# Altium PCB pcb_final.PcbDoc
Units mil, origin at the board's own origin, x right, y up, seen from the top; angles counter-clockwise.
Board outline 6000 x 4000 mil, 2 copper layers (Top Layer, Bottom Layer); 16 components, 32 nets, 96 pads, 4 vias.
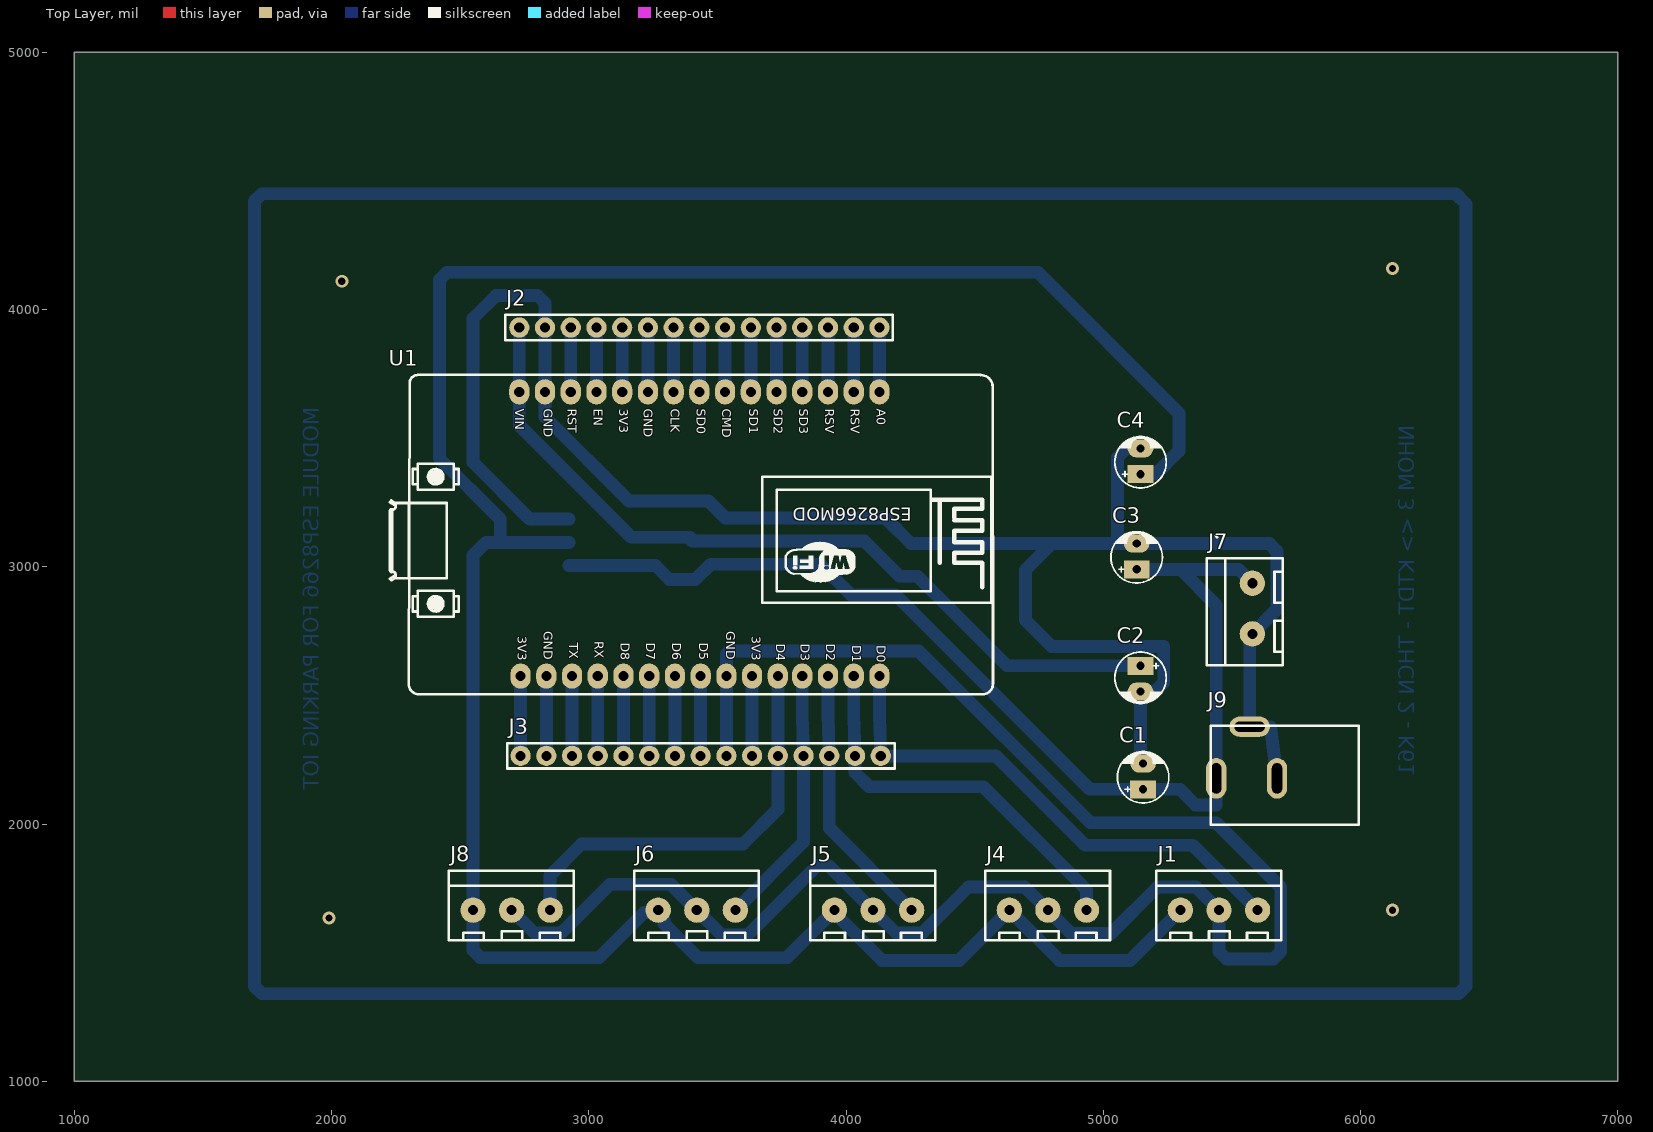
[diagram p0: Top Layer view]
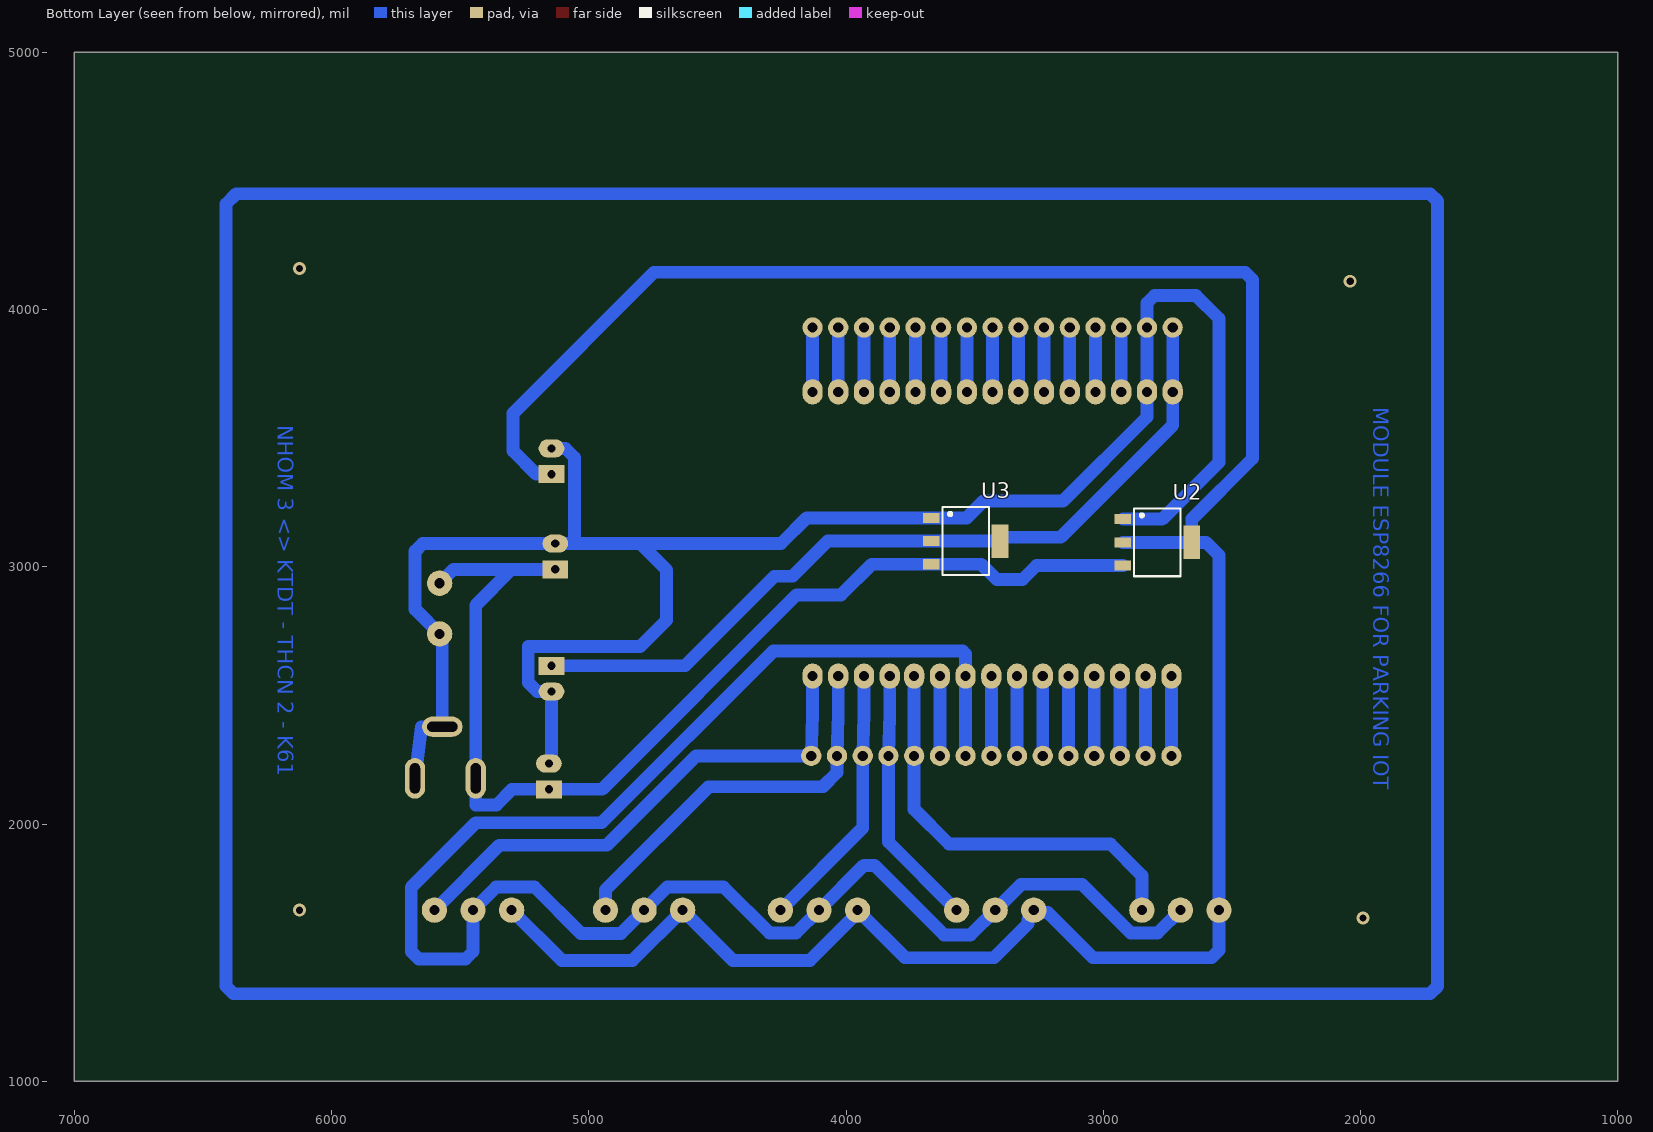
[diagram p1: Bottom Layer view, seen from below]
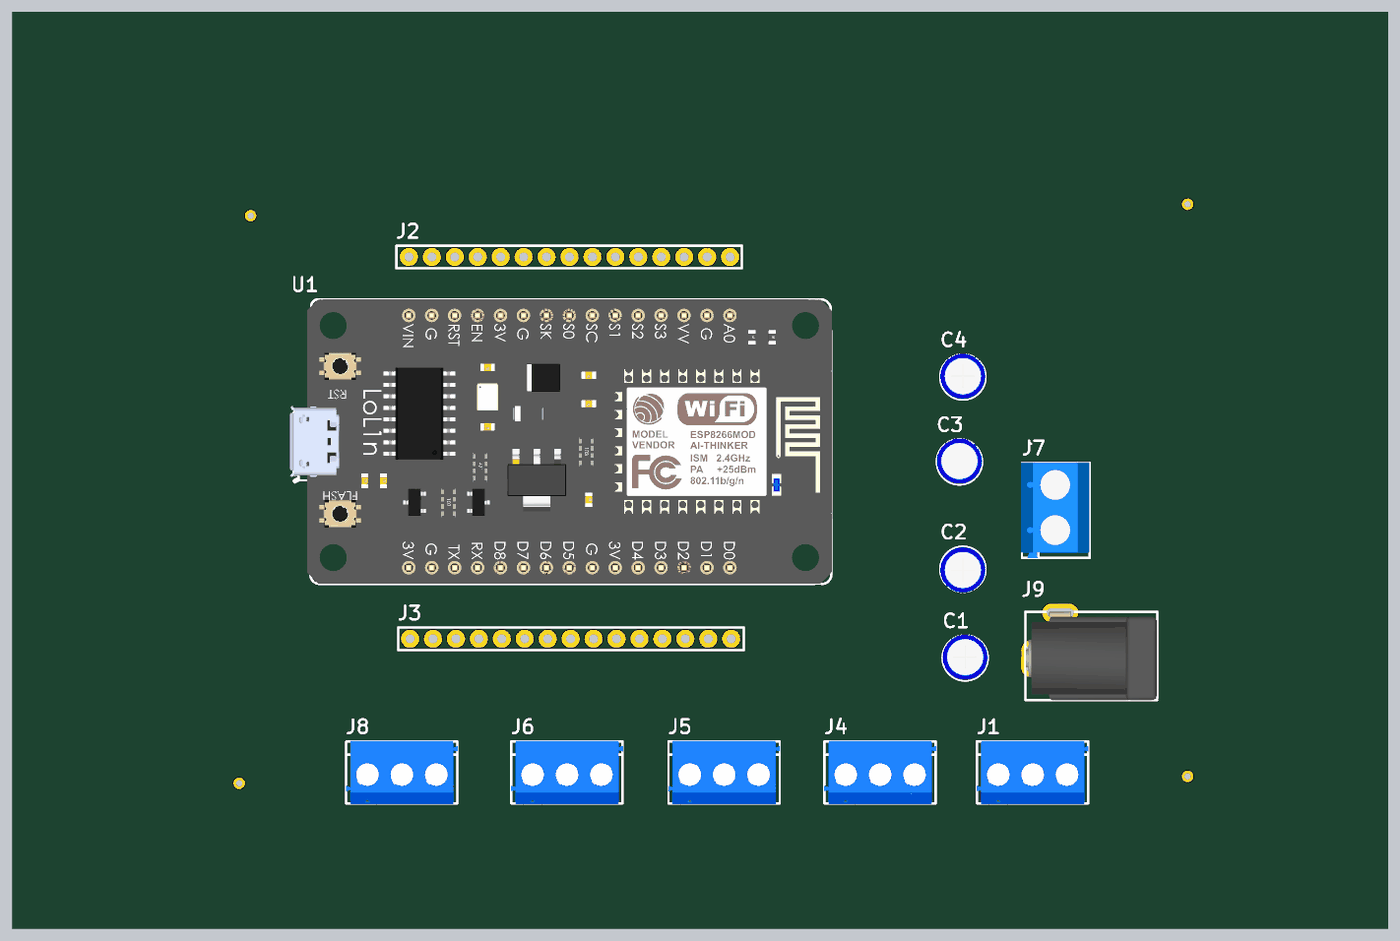
[diagram p2: 3D render of the assembled board from above, using the file's embedded part models]

## Layer stack, top to bottom
Top Solder: solder mask 0.4, Solder Resist, Dk 3.5
Top Layer: signal copper 1.4
Dielectric 1: dielectric 12.6, FR-4, Dk 4.8
Bottom Layer: signal copper 1.4
Bottom Solder: solder mask 0.4, Solder Resist, Dk 3.5

## Board outline
1000,1000 7000,1000 7000,5000 1000,5000

## Design rules (kind name [scope] priority, off if disabled: settings)
Clearance [All] p1: gap=15 ignorepadtopadclearanceinfootprint=FALSE
PolygonConnect [All] p1: connectstyle=Relief reliefconductorwidth=10 reliefentries=4 polygonreliefangle="90 Angle" airgapwidth=10
RoutingLayers [All] p1: top layer_v5=FALSE bottom layer_v5=TRUE
RoutingVias [All] p1: holewidth=28 width=50 viastyle="Through Hole" minholewidth=28 minwidth=50 maxholewidth=28 maxwidth=50
SolderMaskExpansion [All] p1: expansion=4 istentingtop=FALSE
Width [All] p1: maxlimit=60 minlimit=40 preferedwidth=50
29 further rules are at their usual default settings.

## Components (designator, comment, footprint, x,y, rotation, side; value= is the part's Value field where it differs from the comment)
C1 "10uF" CP1/2 5155,2135 r90 top value=10uF/50V
C2 "10uF" CP1/2 5145,2615 r270 top value=10uF/50V
C3 "10uF" CP1/2 5130,2990 r90 top value=10uF/50V
C4 "10uF" CP1/2 5145,3360 r90 top value=10uF/50V
J1 "BORNE-3.81-3P" BORNE-3.81-3P 5450,1665 r270 top
J2 "FEMALE-2.54-15P" FEMALE-2.54-15P 3430,3930 r90 top
J3 "FEMALE-2.54-15P" FEMALE-2.54-15P 3435,2265 r270 top
J4 "BORNE-3.81-3P" BORNE-3.81-3P 4785,1665 r270 top
J5 "BORNE-3.81-3P" BORNE-3.81-3P 4105,1665 r270 top
J6 "BORNE-3.81-3P" BORNE-3.81-3P 3420,1665 r270 top
J7 "BORNE-5.00-2P" BORNE-5.00-2P 5550,2825 r0 top
J8 "BORNE-3.81-3P" BORNE-3.81-3P 2700,1665 r270 top
J9 "JACK_P4" JACK_P4 5705,2190 r0 top
U1 "ESP8266" ESP8266 3430,3127.5 r270 top
U2 "AMS1117" AMS1117 2790,3095 r180 bottom
U3 "AMS1117" AMS1117 3535,3100 r180 bottom

## Footprints (in the part's own frame and the unit in brackets; to place one, negate y for a bottom-side part, rotate by r counter-clockwise, add the part's x,y. Pads: shape width x height; smd on the part's side, far side on the other; paste and mask are expansions set on the pad)
AMS1117 [mm] "SOT-223"
  rect 1.65x1 smd: 1(-3.4,2.29) 2(-3.4,0) 3(-3.4,-2.29)
  rect 1.65x3.3 smd: 2(3.4,0)
  silkscreen extent -2.3,-3.35 2.3,3.35, body extent -3.6,-3.25 3.4,3.25, height 1.87
BORNE-3.81-3P [mm]
  round 2.5 hole 1 paste+0: 1(0,3.81) 2(0,0) 3(0,-3.81)
  silkscreen extent -3.87,-6.19 2.98,6.13, body extent -3.95,-6.21 3.05,6.18, height 8.4
BORNE-5.00-2P [mm]
  round 2.5 hole 1: 1(0.754,2.82) 2(0.754,-2.18)
  silkscreen extent -3.75,-5.27 3.75,5.27, body extent -3.86,-5.28 3.74,5.32, height 10.1
CP1/2 [mil] "Tu hoa < 22uF/16>50V"
  rect 70x100 hole 32: 1(0,0)
  oval 70x100 hole 32: 2(100,0)
  silkscreen extent -53,-100 146,100, body extent -49,-99 149,99, height 287
ESP8266 [mm] "Microcontoller Board 30 Pins Wifi 2.4GHz BLE 4.2 ESP-12F"
  oval 2.5x2 hole 1: 1(-14.034,17.78) 2(-14.034,15.24) 3(-14.034,12.7) 4(-14.034,10.16) 5(-14.034,7.62) 6(-14.034,5.08) 7(-14.034,2.54) 8(-14.034,0) 9(-14.034,-2.54) 10(-14.034,-5.08) 11(-14.034,-7.62) 12(-14.033,-10.16) 13(-14.033,-12.7) 14(-14.033,-15.24) 15(-14.033,-17.78) 16(14.034,-17.653) 17(14.034,-15.113) 18(14.034,-12.573) 19(14.034,-10.033) 20(14.034,-7.493) 21(14.034,-4.953) 22(14.034,-2.413) 23(14.034,0.127) 24(14.034,2.667) 25(14.034,5.207) 26(14.034,7.747) 27(14.033,10.16) 28(14.033,12.7) 29(14.033,15.24) 30(14.033,17.78)
  silkscreen extent -15.7,-30.55 15.83,51.11, body extent -15.69,-30.95 15.81,29.03, height 7.12
FEMALE-2.54-15P [mm]
  round 2 hole 1: 1(0,17.78) 2(0,15.24) 3(0,12.7) 4(0,10.16) 5(0,7.62) 6(0,5.08) 7(0,2.54) 8(0,0) 9(0,-2.54) 10(0,-5.08) 11(0,-7.62) 12(0,-10.16) 13(0,-12.7) 14(0,-15.24) 15(0,-17.78)
  silkscreen extent -1.25,-19.09 1.25,19.17, body extent -1.11,-19.13 1.29,19.27, height 8.5
JACK_P4 [mm]
  oval 2x4 hole 1 slot 3 at 90 deg: 1(-6.746,-0.318) 2(-0.747,-0.318)
  oval 4x2 hole 1 slot 3 at 0 deg: 3(-3.447,4.783)
  silkscreen extent -7.3,-4.89 7.3,4.89, body extent -7.27,-4.92 7.23,4.88, height 11.38

## Part data
C1 C2 C3 C4: library part CP1, "Cap P  0,1uF < 22uF , 16 - 50V", Description 1="10 => 220uF/6,3V/10V - 10uF => 100uF/16V", Description 2="0,1uF => 33uF/50V - 10uF => 22uF/63V", Description 3="0,47uF => 10uF/100V"
J1 J4 J5 J6 J8: "Borne 3 Vias, Pitch 3.81mm."
J2 J3: "Female Header Connector 2.54mm 15 Pins.", JLCPCB PN=C2897378
J7: "Borne 2 Vias, Pitch 5mm.", JLCPCB PN=C91153
J9: "9V Battery Connector Jack P4."
U1: "Microcontoller Board 30 Pins Wifi 2.4GHz BLE 4.2 ESP-12F", ComponentLink1Description=Datasheet, ComponentLink1URL=https://docs.ai-thinker.com/_media/esp8266/docs/esp-12f_product_specification_en.pdf
U2 U3: "IC REG LINEAR 1A SOT-89-3L", JLCPCB PN=C963410, ComponentLink1Description=Datasheet, ComponentLink1URL=http://www.advanced-monolithic.com/pdf/ds1117.pdf, Digikey PN=4518-AMS1117-3.3CT-ND

## Via types
v1: diameter 50, hole 28, Top Layer to Bottom Layer, 4 vias

## Nets (pads, with @x,y where several pads share a name; then routed paths per layer and width w, separated by ;. In a path a pad name is that pad's centre, name@x,y a point inside that pad or via, vN(x,y) a via of type N, cw(c..) or ccw(c..) an arc to the next point about the centre after c; other vN are vias at no path point)
NetC1_1: C1.1 C3.1 J7.1 J9.1 U2.3 U3.3 | length 4396.4
  Bottom Layer w50: U2.3 3259.32,3004.84 3314.16,2950 3414.16,2950 3474,3009.84 U3.3 3900.11,3009.84 4019.15,2890.8 4192.2,2890.8 4948,2135 C1.1 5298,2135 5359,2074 5439.39,2074 J9.1 5439.39,2850.61 5300,2990 ; C3.1 5300,2990 ; J7.1 5525.71,2990 5300,2990
NetC1_2: C1.2 C2.2 C3.2 C4.2 J2.2 J7.2 J9.2 J9.3 U1.14 U2.1 U3.1 | length 7761.1
  Bottom Layer w50: U2.1 2771,3185.16 2550,3406.16 2550,3965 2640,4055 2800.71,4055 2830,4025.71 J2.2 U1.14 2830,3582 3157,3255 3466,3255 3530.84,3190.16 U3.1 4152.84,3190.16 4253,3090 4800,3090 ; C4.2 5090,3460 5055,3425 5055,3090 ; C1.2 5145,2235 C2.2 5200,2515 5235,2550 5235,2690 4800,2690 4698,2792 4698,2988 4800,3090 ; J9.2 5650,2378.29 J9.3 5569.31,2694.59 5570.4,2695.68 5570.4,2729.93 5675,2834.53 5675,3060.71 5645.71,3090 5055,3090 ; 4800,3090 5055,3090
NetC2_1: C2.1 J2.1 U1.15 U3.2 | length 3186.7
  Bottom Layer w50: J2.1 U1.15 2730,3550 3165,3115 3393.66,3115 3401.14,3107.52 3401.14,3100 3668.86,3100 4071,3100 4208,2963 4278,2963 4626,2615 C2.1
NetC4_1: C4.1 J1.3 J4.3 J5.3 J6.3 J8.3 U2.2 | length 9833.7
  Bottom Layer w50: U2.2@2923.86,3095 U2.2@2656.14,3095 ; C4.1 5204,3360 5294,3450 5294,3597 4746,4145 2449.29,4145 2420,4115.71 2420,3421.14 2656.14,3185 U2.2@2656.14,3095 ; J1.3 5105,1470 4830,1470 J4.3 4440,1470 4140,1470 3955,1655 J5.3 3770,1480 3425,1480 3292.83,1612.17 3292.83,1629.06 3270,1651.9 J6.3 3260.73,1655.73 3215.73,1655.73 3040,1480 2579.29,1480 2550,1509.29 2550,3045 2600,3095 U2.2@2656.14,3095
NetJ1_1: J1.1 J3.1 U1.30 | length 2023.6
  Bottom Layer w50: U1.30 4130,2425 J3.1 4582.5,2265 4930.11,1917.39 5347.61,1917.39 J1.1
NetJ1_2: J1.2 J3.7 J4.2 J5.2 J6.2 J8.2 U1.24 | length 7039.6
  Bottom Layer w50: J8.2 2789.21,1575.79 2892.79,1575.79 3083,1766 3319,1766 J6.2 3516,1569 3619,1569 3889.29,1839.29 3930.71,1839.29 J5.2 4194.21,1575.79 4296.79,1575.79 4476,1755 4695,1755 J4.2 4875,1575 5031,1575 5211,1755 5360,1755 J1.2 5450,1504.29 5479.29,1475 5660.71,1475 5690,1504.29 5690,1754 5439,2005 4950,2005 4283,2672 3546,2672 3535,2661 U1.24 J3.7
NetJ2_3: J2.3 U1.13 | length 250
  Bottom Layer w50: U1.13 J2.3
NetJ2_4: J2.4 U1.12 | length 250
  Bottom Layer w50: U1.12 J2.4
NetJ2_5: J2.5 U1.11 | length 250
  Bottom Layer w50: U1.11 J2.5
NetJ2_6: J2.6 U1.10 | length 250
  Bottom Layer w50: U1.10 J2.6
NetJ2_7: J2.7 U1.9 | length 250
  Bottom Layer w50: U1.9 J2.7
NetJ2_8: J2.8 U1.8 | length 250
  Bottom Layer w50: U1.8 J2.8
NetJ2_9: J2.9 U1.7 | length 250
  Bottom Layer w50: U1.7 J2.9
NetJ2_10: J2.10 U1.6 | length 250
  Bottom Layer w50: U1.6 J2.10
NetJ2_11: J2.11 U1.5 | length 250
  Bottom Layer w50: U1.5 J2.11
NetJ2_12: J2.12 U1.4 | length 250
  Bottom Layer w50: U1.4 J2.12
NetJ2_13: J2.13 U1.3 | length 250
  Bottom Layer w50: U1.3 J2.13
NetJ2_14: J2.14 U1.2 | length 250
  Bottom Layer w50: U1.2 J2.14
NetJ2_15: J2.15 U1.1 | length 250
  Bottom Layer w50: U1.1 J2.15
NetJ3_2: J3.2 J4.1 U1.29 | length 1542.9
  Bottom Layer w50: U1.29 4030,2425 J3.2 4035,2200 4090,2145 4533.94,2145 4935,1743.94 J4.1
NetJ3_3: J3.3 J5.1 U1.28 | length 1042.6
  Bottom Layer w50: U1.28 3930,2425 J3.3 3935,1985 J5.1
NetJ3_4: J3.4 J6.1 U1.27 | length 1019.8
  Bottom Layer w50: J6.1 3835,1930 J3.4 3830,2425 U1.27
NetJ3_5: J3.5 J8.1 U1.26 | length 1644.5
  Bottom Layer w50: J8.1 2850,1800 2972,1922 3600,1922 3735,2057 J3.5 U1.26
NetJ3_6: J3.6 U1.25 | length 310
  Bottom Layer w50: J3.6 U1.25
NetJ3_8: J3.8 U1.23 | length 310
  Bottom Layer w50: J3.8 U1.23
NetJ3_9: J3.9 U1.22 | length 310
  Bottom Layer w50: J3.9 U1.22
NetJ3_10: J3.10 U1.21 | length 310
  Bottom Layer w50: J3.10 U1.21
NetJ3_11: J3.11 U1.20 | length 310
  Bottom Layer w50: J3.11 U1.20
NetJ3_12: J3.12 U1.19 | length 310
  Bottom Layer w50: J3.12 U1.19
NetJ3_13: J3.13 U1.18 | length 310
  Bottom Layer w50: J3.13 U1.18
NetJ3_14: J3.14 U1.17 | length 310
  Bottom Layer w50: J3.14 U1.17
NetJ3_15: J3.15 U1.16 | length 310
  Bottom Layer w50: J3.15 U1.16
copper on no net: | length 15565.1
  Bottom Layer w50: 1700,1369.29 1700,4420.71 1729.29,4450 6370,4450 6410,4410 6410,1369.29 6380.71,1340 1729.29,1340 1700,1369.29
  other v1: 1990,1635 6125,1665 2040,4110 6125,4160

## Other copper
Bottom Layer:
  text "MODULE ESP8266 FOR PARKING IOT" at 1950,3620 h60 r90
  text "NHOM 3 <> KTDT - THCN 2 - K61" at 6210,3550.02 h60 r90

## Text inside footprints (layer, text, board x,y; h text height)
U1: Top Overlay "ESP8266MOD" at 4255,3229.61 h49.21 r180; Top Overlay "A0" at 4107.37,3615 h60 r270; Top Overlay "RSV" at 4007.37,3615 h60 r270; Top Overlay "SD3" at 3807.37,3615 h60 r270; Top Overlay "SD2" at 3707.37,3615 h60 r270; Top Overlay "SD1" at 3612.37,3615 h60 r270; Top Overlay "CMD" at 3507.37,3615 h60 r270; Top Overlay "SD0" at 3407.37,3615 h60 r270; Top Overlay "CLK" at 3307.37,3615 h60 r270; Top Overlay "GND" at 3202.37,3615 h60 r270; Top Overlay "3V3" at 3107.37,3615 h60 r270; Top Overlay "EN" at 3007.37,3615 h60 r270; Top Overlay "RST" at 2907.37,3615 h60 r270; Top Overlay "GND" at 2812.37,3615 h60 r270; Top Overlay "VIN" at 2702.37,3615 h60 r270; Top Overlay "3V3" at 2712.37,2730 h60 r270; Top Overlay "GND" at 2812.37,2750 h60 r270; Top Overlay "GND" at 3522.37,2750 h60 r270; Top Overlay "D0" at 4107.37,2695 h60 r270; Top Overlay "D1" at 4012.37,2695 h60 r270; Top Overlay "D3" at 3812.37,2700 h60 r270; Top Overlay "D4" at 3717.37,2700 h60 r270; Top Overlay "D5" at 3417.37,2705 h60 r270; Top Overlay "D2" at 3912.37,2700 h60 r270; Top Overlay "D6" at 3312.37,2705 h60 r270; Top Overlay "D7" at 3212.37,2705 h60 r270; Top Overlay "D8" at 3112.37,2705 h60 r270; Top Overlay "RX" at 3012.37,2710 h60 r270; Top Overlay "TX" at 2912.37,2705 h60 r270; Top Overlay "3V3" at 3622.37,2730 h60 r270; Top Overlay "RSV" at 3907.37,3615 h60 r270